# Altium PCB Main_conection.PcbDoc (part 1 of 2) (continued)
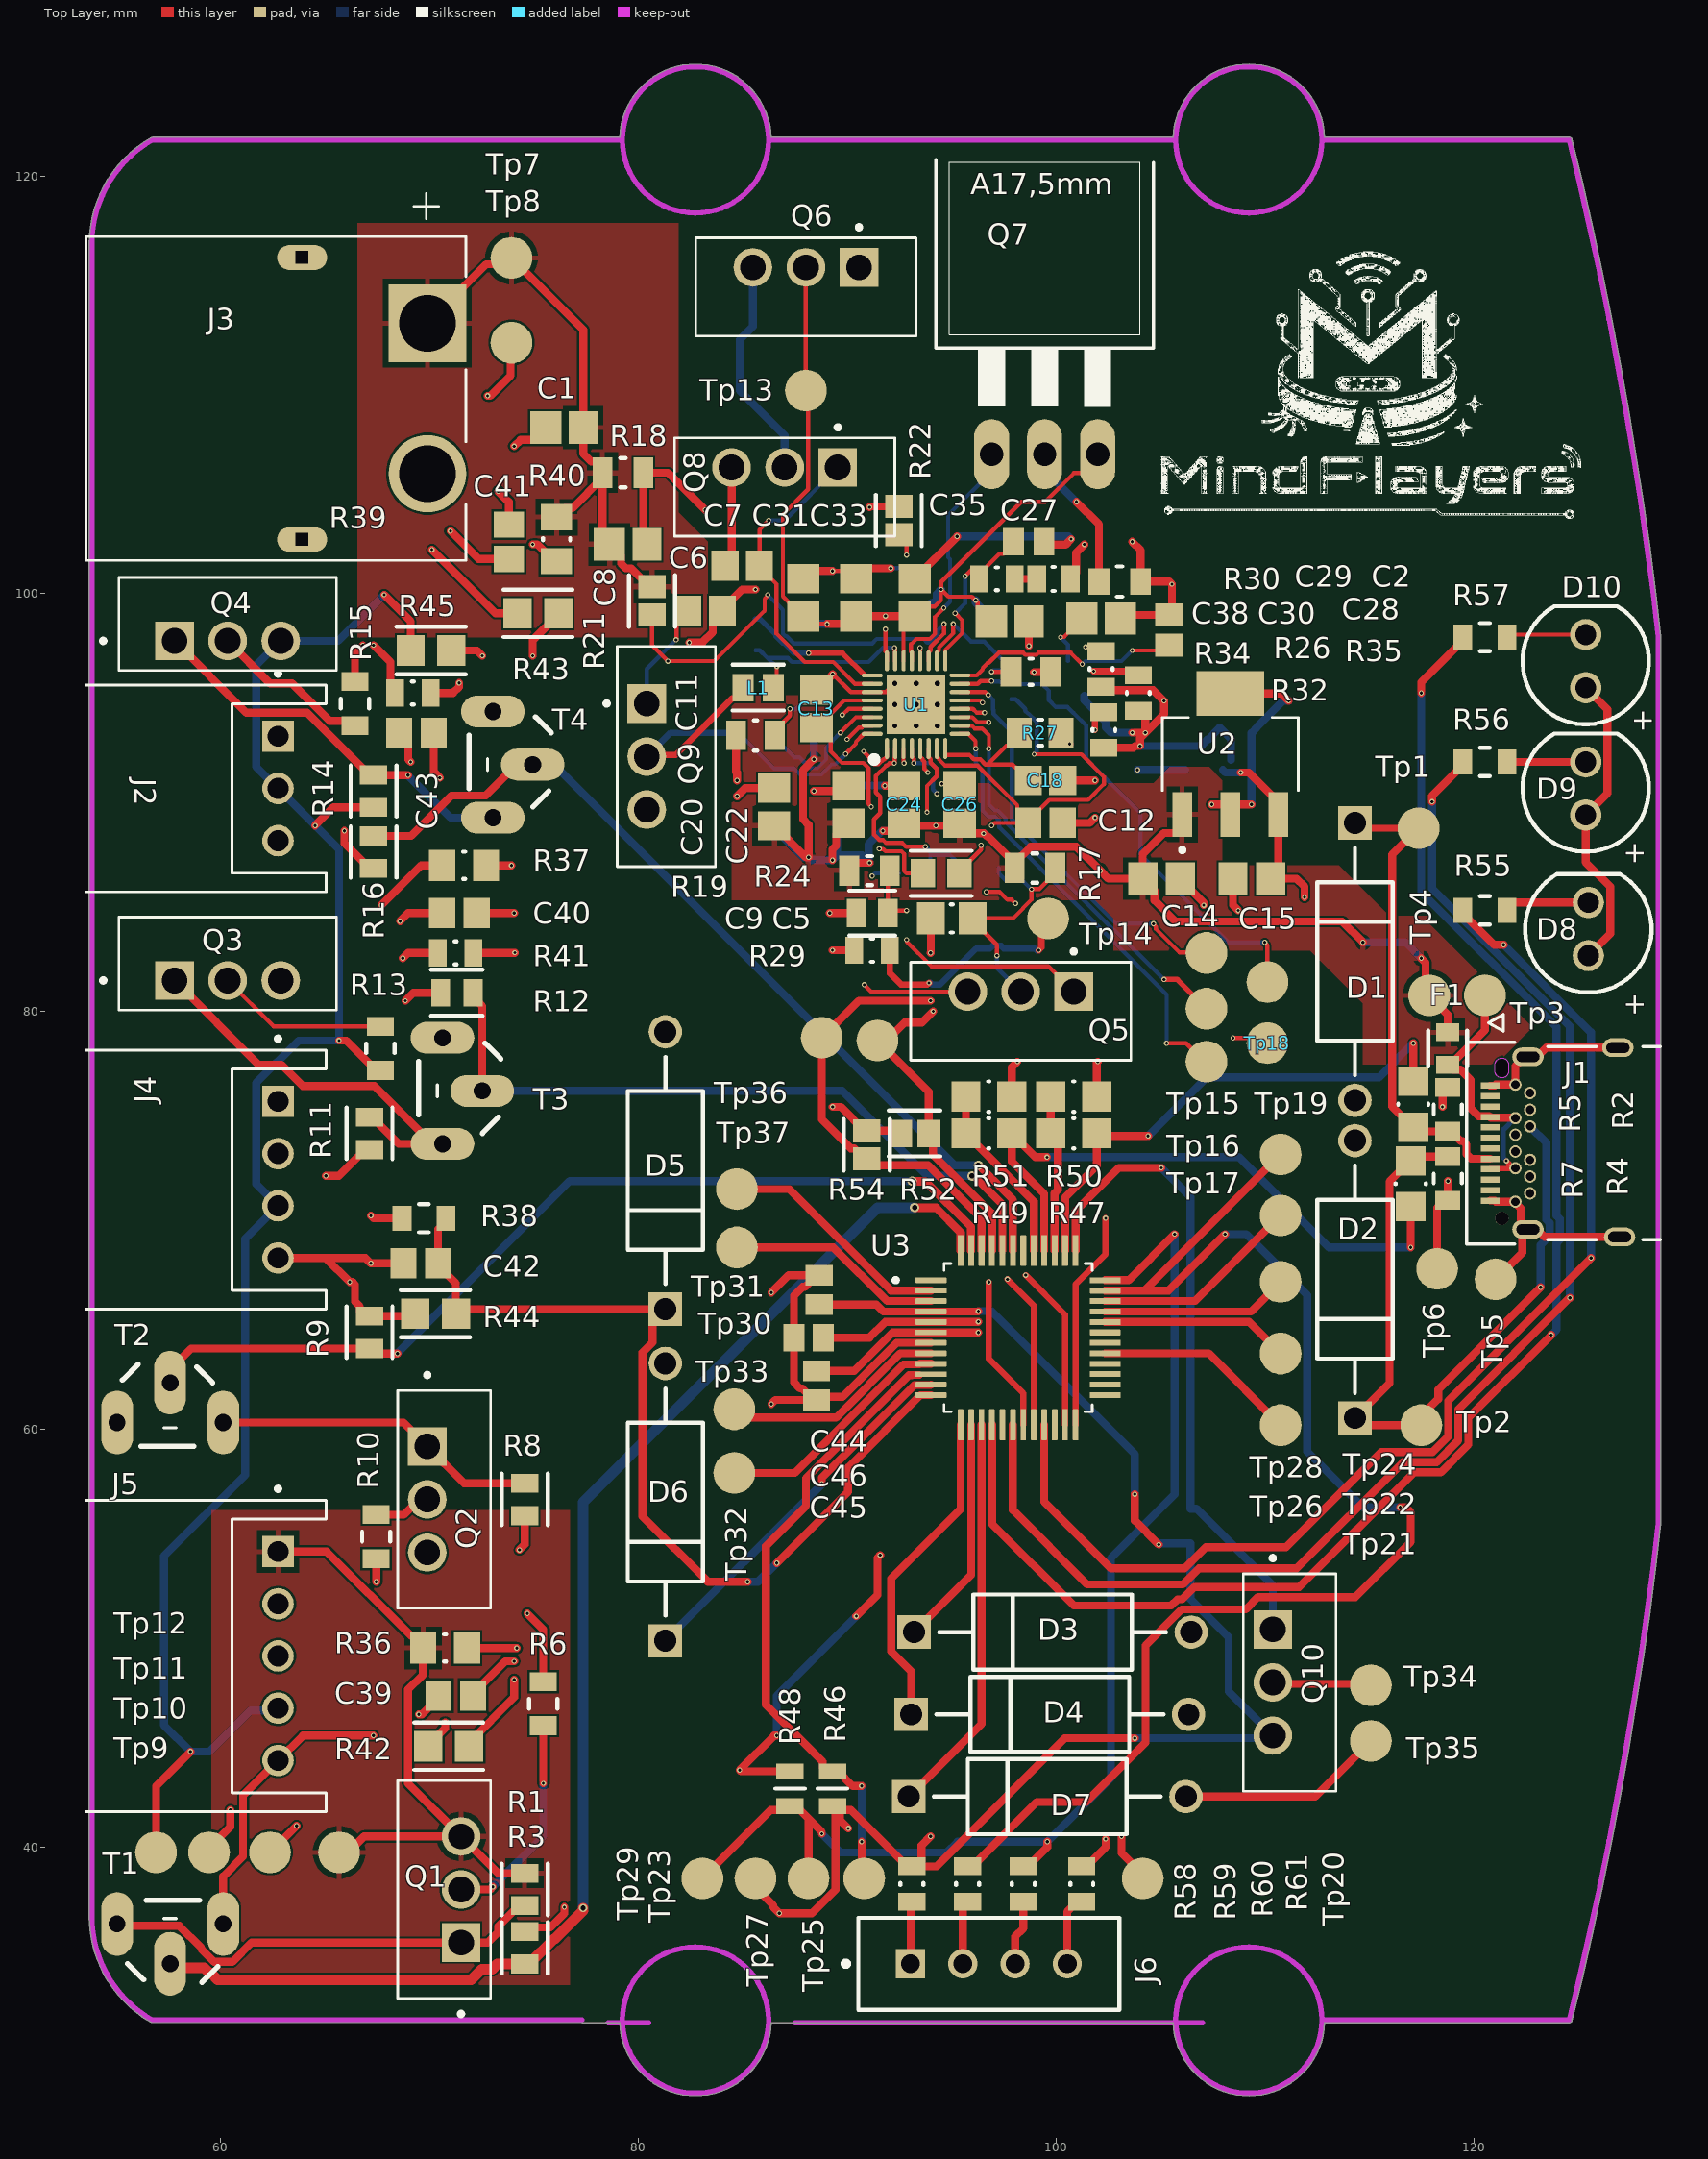
[diagram p0: Top Layer view]
## Footprints (in the part's own frame and the unit in brackets; to place one, negate y for a bottom-side part, rotate by r counter-clockwise, add the part's x,y. Pads: shape width x height; smd on the part's side, far side on the other; paste and mask are expansions set on the pad) (continued)
FP-CRCW0805-e3-IPC_B [mm]
  rect 1.007x1.408 smd paste+0 mask+0: 1(-0.951,0) 2(0.951,0)
  silkscreen extent -0.07,-0.63 0.07,0.63, body extent -1.7,-0.95 1.7,0.95, height 0.25
FP-CRCW0805-HPe3-MFG [mm]
  rect 0.95x1.45 smd paste+0 mask+0: 1(-0.975,0) 2(0.975,0)
  silkscreen extent -0.13,-0.7 0.13,0.7, body extent -1.55,-0.82 1.55,0.82, height 0.25
FP-CRGCQ0805-IPC_C [mm]
  rect 0.906x1.31 smd paste+0 mask+0: 1(-0.776,0) 2(0.776,0)
  silkscreen extent -1.23,-1.1 1.23,1.1, body extent -1.33,-0.8 1.33,0.8, height 0.25
FP-ESR10-MFG [mm]
  rect 0.7x1.15 smd paste+0 mask+0: 1(-0.95,0) 2(0.95,0)
  silkscreen extent -0.22,-0.67 0.22,0.67, body extent -1,-0.63 1,0.63, height 0.65
FP-F0603G-MFG [mm]
  rect 0.85x1.1 smd paste+0 mask+0: 1(-0.775,0) 2(0.775,0)
  silkscreen extent -0.85,-0.93 0.85,0.93, body extent -1.3,-0.65 1.3,0.65, height 0.25
FP-HCJ0805-MFG [mm]
  rect 1.4x1.44 smd paste+0 mask+0: 1(-1.1,0) 2(1.1,0)
  silkscreen extent -0.03,-0.72 0.03,0.72, body extent -1.9,-0.82 1.9,0.82, height 0.25
FP-LQM21PN_CH-IPC_C [mm]
  rect 1.006x1.308 smd paste+0 mask+0: 1(-0.726,0) 2(0.726,0)
  silkscreen extent -1.23,-1.1 1.23,1.1, body extent -1.33,-0.8 1.33,0.8, height 0.25
FP-MCU0805-IPC_C [mm]
  rect 0.759x1.308 smd paste+0 mask+0: 1(-0.827,0) 2(0.827,0)
  silkscreen extent 0,-0.7 0,0.7, body extent -1.31,-0.8 1.31,0.8, height 0.25
FP-P6KE-MFG [mm]
  rect 1.6x1.6 hole 1.05 paste-2539.97 mask+0: 1(-6.638,0)
  round 1.6 hole 1.05 paste-2539.97 mask+0: 2(6.638,0)
  silkscreen extent -5.44,-1.8 5.44,1.8, body extent -7.54,-1.9 7.54,1.9, height 0.25
FP-RMCF0805-IPC_A [mm]
  rect 1.355x1.462 smd paste+0 mask+0: 1(-0.976,0) 2(0.976,0)
  silkscreen extent -1.65,-1.13 1.65,1.13, body extent -2.15,-1.23 2.15,1.23, height 0.25
FP-RMCF0805-IPC_B [mm]
  rect 1.155x1.362 smd paste+0 mask+0: 1(-0.876,0) 2(0.876,0)
  silkscreen extent -1.45,-1.08 1.45,1.08, body extent -1,-0.63 1,0.63, height 0.65
FP-RMCF0805-MFG [mm]
  rect 0.9x1.3 smd paste+0 mask+0: 1(-1.05,0) 2(1.05,0)
  silkscreen extent -0.23,-0.67 0.23,0.67, body extent -1.6,-0.77 1.6,0.77, height 0.25
FP-RNCP0805-IPC_C [mm]
  rect 1.105x1.308 smd paste+0 mask+0: 1(-0.676,0) 2(0.676,0)
  silkscreen extent -1.23,-1.1 1.23,1.1, body extent -1.33,-0.8 1.33,0.8, height 0.25
FP-RT0805-MFG [mm]
  rect 0.9x1.2 smd paste+0 mask+0: 1(-1.05,0) 2(1.05,0)
  silkscreen extent -0.23,-0.67 0.23,0.67, body extent -1.6,-0.77 1.6,0.77, height 0.25
JST_S3B-XH-A [mm]
  rect 1.508x1.508 / inner round 1.508 / far side rect 1.508x1.508 hole 1: 1(-2.5,5.7)
  round 1.508 hole 1: 2(0,5.7) 3(2.5,5.7)
  silkscreen extent -5.6,-3.5 4.95,8, body extent -4.95,-3.5 4.95,8, height 6.1
JST_S4B-XH-A [mm]
  rect 1.508x1.508 / inner round 1.508 / far side rect 1.508x1.508 hole 1: 1(-3.75,5.7)
  round 1.508 hole 1: 2(-1.25,5.7) 3(1.25,5.7) 4(3.75,5.7)
  silkscreen extent -6.85,-3.5 6.2,8, body extent -6.2,-3.5 6.2,8, height 6.1
JST_S5B-XH-A [mm]
  rect 1.508x1.508 / inner round 1.508 / far side rect 1.508x1.508 hole 1: 1(-5,5.7)
  round 1.508 hole 1: 2(-2.5,5.7) 3(0,5.7) 4(2.5,5.7) 5(5,5.7)
  silkscreen extent -8.1,-3.5 7.45,8, body extent -7.45,-3.5 7.45,8, height 6.1
MOLEX_2171830001 [mm]
  rect 0.298x0.9 smd mask-2539.97: A1(-2.75,8.15) A2(-2.25,8.15) A3(-1.75,8.15) A4(-1.25,8.15) A5(-0.75,8.15) A6(-0.25,8.15) A7(0.25,8.15) A8(0.75,8.15) A9(1.25,8.15) A10(1.75,8.15) A11(2.25,8.15) A12(2.75,8.15)
  round 0.59 hole 0.4 mask-2539.97: B1(2.8,6.94) B2(2.4,6.24) B3(1.6,6.24) B4(1.2,6.94) B5(0.8,6.24) B6(0.4,6.94) B7(-0.4,6.94) B8(-0.8,6.24) B9(-1.2,6.94) B10(-1.6,6.24) B11(-2.4,6.24) B12(-2.8,6.94)
  oval 0.9x1.5 hole 0.5 slot 1.1 at 90 deg mask+0.064: SH1(-4.49,1.95) SH2(4.572,2.032) SH3(-4.13,6.34) SH4(4.13,6.34)
  round 0.65 hole 0.65 unplated mask+0.064: ""(-3.6,7.59)
  Keep-Out Layer board cut-out: 3.75,7.265 3.45,7.265 3.433,7.265 3.416,7.267 3.399,7.269 3.382,7.272 3.366,7.276 3.35,7.281 3.334,7.287 3.318,7.293 3.302,7.3 3.288,7.309 3.273,7.317 3.259,7.327 3.245,7.337 3.233,7.348 3.22,7.36 3.208,7.373 3.197,7.385 3.187,7.399 3.177,7.413 3.169,7.428 3.16,7.442 3.153,7.458 3.147,7.474 3.141,7.49 3.136,7.506 3.132,7.522 3.129,7.539 3.127,7.556 3.125,7.573 3.125,7.59 3.125,7.607 3.127,7.624 3.129,7.641 3.132,7.658 3.136,7.674 3.141,7.69 3.147,7.706 3.153,7.722 3.16,7.738 3.169,7.752 3.177,7.767 3.187,7.781 3.197,7.795 3.208,7.807 3.22,7.82 3.233,7.832 3.245,7.843 3.259,7.853 3.273,7.863 3.288,7.871 3.302,7.88 3.318,7.887 3.334,7.893 3.35,7.899 3.366,7.904 3.382,7.908 3.399,7.911 3.416,7.913 3.433,7.915 3.45,7.915 3.75,7.915 3.767,7.915 3.784,7.913 3.801,7.911 3.818,7.908 3.834,7.904 3.85,7.899 3.866,7.893 3.882,7.887 3.898,7.88 3.913,7.871 3.927,7.863 3.941,7.853 3.955,7.843 3.967,7.832 3.98,7.82 3.992,7.807 4.003,7.795 4.013,7.781 4.023,7.767 4.031,7.752 4.04,7.738 4.047,7.722 4.053,7.706 4.059,7.69 4.064,7.674 4.068,7.658 4.071,7.641 4.073,7.624 4.075,7.607 4.075,7.59 4.075,7.573 4.073,7.556 4.071,7.539 4.068,7.522 4.064,7.506 4.059,7.49 4.053,7.474 4.047,7.458 4.04,7.442 4.031,7.428 4.023,7.413 4.013,7.399 4.003,7.385 3.992,7.373 3.98,7.36 3.967,7.348 3.955,7.337 3.941,7.327 3.927,7.317 3.913,7.309 3.898,7.3 3.882,7.293 3.866,7.287 3.85,7.281 3.834,7.276 3.818,7.272 3.801,7.269 3.784,7.267 3.767,7.265
  silkscreen extent -4.83,0 6.16,9.27, body extent -4.95,-0.62 4.9,9.25, height 3.27
QFP50P900X900X160-48N [mm]
  rrect25% 1.49x0.27 smd mask-2539.97: 1(-4.17,2.75) 2(-4.17,2.25) 3(-4.17,1.75) 4(-4.17,1.25) 5(-4.17,0.75) 6(-4.17,0.25) 7(-4.17,-0.25) 8(-4.17,-0.75) 9(-4.17,-1.25) 10(-4.17,-1.75) 11(-4.17,-2.25) 12(-4.17,-2.75)
  rrect25% 0.27x1.49 smd mask-2539.97: 13(-2.75,-4.17) 14(-2.25,-4.17) 15(-1.75,-4.17) 16(-1.25,-4.17) 17(-0.75,-4.17) 18(-0.25,-4.17) 19(0.25,-4.17) 20(0.75,-4.17) 21(1.25,-4.17) 22(1.75,-4.17) 23(2.25,-4.17) 24(2.75,-4.17)
  rrect25% 1.49x0.28 smd mask-2539.97: 25(4.17,-2.75) 26(4.17,-2.25) 27(4.17,-1.75) 28(4.17,-1.25) 29(4.17,-0.75) 30(4.17,-0.25) 31(4.17,0.25) 32(4.17,0.75) 33(4.17,1.25) 34(4.17,1.75) 35(4.17,2.25) 36(4.17,2.75)
  rrect25% 0.28x1.49 smd mask-2539.97: 37(2.75,4.17) 38(2.25,4.17) 39(1.75,4.17) 40(1.25,4.17) 41(0.75,4.17) 42(0.25,4.17) 43(-0.25,4.17) 44(-0.75,4.17) 45(-1.25,4.17) 46(-1.75,4.17) 47(-2.25,4.17) 48(-2.75,4.17)
  silkscreen extent -5.96,-3.55 3.55,3.55, body extent -4.54,-4.5 4.54,4.5, height 1.61
RESC0805(2012)_L [mm] "Chip Resistor, Body 2.0x1.3mm, IPC High Density"
  rect 0.85x1.3 smd: 1(-0.85,0) 2(0.85,0)
  silkscreen extent -0.05,-0.55 0.05,0.55, body extent -1.1,-0.67 1.1,0.68, height 0.7
RESC0805(2012)_M [mm] "Chip Resistor, Body 2.0x1.3mm, IPC Low Density"
  rect 1.25x1.5 smd: 1(-1.05,0) 2(1.05,0)
  silkscreen extent -0.05,-0.65 0.05,0.65, body extent -1.1,-0.67 1.1,0.67, height 0.7
RESC2013X60X35ML10T20 [mm] "Chip Resistor, 2-Leads, Body 2.00x1.25mm, IPC Low Density"
  rect 1.2x1.45 smd: 1(-1,0) 2(1,0)
  silkscreen extent -0.1,-0.63 0.1,0.63, body extent -1.05,-0.67 1.05,0.67, height 0.6
SOT230P700X180-4N [mm]
  rect 2.15x0.95 smd paste+0 mask+0.102: 1(-2.9,2.3) 2(-2.9,0) 3(-2.9,-2.3)
  rect 2.15x3.25 smd paste+0 mask+0.102: 4(2.9,0)
  silkscreen extent -4.7,-3.25 1.75,3.25, body extent -3.5,-3.25 3.5,3.25, height 1.8
TO92 [mil]
  oval 60x120 hole 32 mask+4.02: 1(-100,0) 2(0,75) 3(100,0)
  silkscreen extent -90,-45 80,110, body extent -108,-50 108,92, height 318
TO220BH [mil]
  oval 66x132 hole 44: D(0,-250) G(-100,-250) S(100,-250)
  silkscreen extent -205,-160 205,305, body extent -200,-300 200,300, height 190
TO254P1041X444X1930-3 [mm]
  rect 1.845x1.845 / inner round 1.845 / far side rect 1.845x1.845 hole 1.23: 1(-2.54,-0.81)
  round 1.845 hole 1.23: 2(0,-0.81) 3(2.54,-0.81)
  silkscreen extent -6.06,-2.22 5.21,2.22, body extent -5.21,-2.22 5.21,2.22, height 19.3
TO254P1054X469X1930-3 [mm]
  rect 1.85x1.85 / inner round 1.85 / far side rect 1.85x1.85 hole 1.23: 1(-2.54,-0.94)
  round 1.85 hole 1.23: 2(0,-0.94) 3(2.54,-0.94)
  silkscreen extent -5.27,-2.96 5.27,2.35, body extent -5.08,-1.71 5.08,2.73, height 15.01
TP [mm]
  round 2 smd: 1(0,0)
WL-TIRC_5mm [mm]
  round 1.5 hole 1: 1(-1.27,0) 2(1.27,0)
  silkscreen extent -3.02,-3.02 2.63,3.02, body extent -2.9,-2.9 2.5,2.9, height 6.2

## Part data
C1 C14 C15 C16 C17 C19 C20 C21 C22 C23 C24 C25 C26 C31 C32 C33 C34 C35 C36 C37 C38: library part CMP-2007-04702-1, Manufacturer="AVX Interconnect / Elco", Part Number=0805ZC106KAT2A
C2: library part CMP-07738-122049624-1, "08051C105K4T2A Cap Ceramic 1uF 100V X7R 10% Pad SMD 0805 125C Automotive T/R", Capacitance=1µF, Case/Package=0805, Dielectric=X7R, Max Operating Temperature=125°C, Min Operating Temperature=-55°C, Tolerance=10%, Voltage Rating=100V, Height=1.4mm, Lifecycle Status=Production, Material=Ceramic, NexarPartId=122049624, RoHS=Compliant, Schedule B=8532240020, Voltage Rating (DC)=100V
C3 S: library part CMP-2007-00394-2, "CAP CER 0.047UF 50V X7R 0805", Capacitance="47,000 pF", Manufacturer=KEMET, Manufacturer Part Number=C0805C473K5RACAUTO, Package=C0805C-DN, Temperature="-55°C to +125°C", Temperature Characteristic=X7R, Temperature Coefficient=30ppm/°C, Temperature Range High=+125°C, Temperature Range Low=-55°C, Tolerance=0.1, Voltage Rating="50 V", Automotive=No, Category=Cap, ComponentLink2Description=Datasheet, ComponentLink2URL=https://content.kemet.com/datasheets/KEM_C1003_C0G_SMD.pdf, Device Class L1="Passive Components", Device Class L2=Capacitors, Device Class L3="Ceramic Capacitors", Digikey Description="CAP CER 0.047UF 50V X7R 0805", Height=0.88mm, Ipc Land Pattern Name=CAPC200125X78, Lead Free=Yes, Material=Ceramic, Mouser Description="Multilayer Ceramic Capacitors MLCC - SMD/SMT 0.047uF 50volts 10% X7R AUTO", Octopart=https://octopart.com/c0805c473k5racauto-kemet-12580596, RoHS=TRUE
C5: library part CMP-1036-04429-1, "CAP 100nF 100V ±10% 0805 (2012 Metric) Thickness 1.45mm SMD", Case-EIA=0805, Case-Metric=2012, Rated Voltage="100 V", Tolerance=Â±10%, Max Thickness="1.45 mm", Technology=SMT
C6 C7: library part CMP-2007-01759-1, Manufacturer=Vitramon, Part Number=VJ0805A151JXAMC
C8: library part CMP-2007-04651-1, Manufacturer="AVX Interconnect / Elco", Part Number=0805DD104KAT2A
C9 C10: library part CMP-03020-013264-1, "CAP CER 0.033UF 50V U2J 0805", Capacitance="33,000 pF", Manufacturer=KEMET, Package=C0805C-DN, Temperature="-55°C to +125°C", Temperature Characteristic=U2J, Temperature Coefficient=30ppm/°C, Temperature Range High=+125°C, Temperature Range Low=-55°C, Tolerance=0.05, Voltage Rating="50 V", Automotive=No, Category=Cap, ComponentLink2Description=Datasheet, ComponentLink2URL=https://content.kemet.com/datasheets/KEM_C1003_C0G_SMD.pdf, Device Class L1="Passive Components", Device Class L2=Capacitors, Device Class L3="Ceramic Capacitors", Digikey Description="CAP CER 0.033UF 50V U2J 0805", Height=0.88mm, Ipc Land Pattern Name=CAPC200125X78, Lead Free=Yes, Manufacturer Part Number=C0805C333J5JACTU, Material=Ceramic, Octopart=https://octopart.com/c0805c333j5jactu-kemet-74774612, RoHS=TRUE
C11: library part CMP-03422-000762-1, "CAP CER 1UF 25V X5R 0805", Capacitance="1 uF", Manufacturer=Yageo, Package=CC0805-0.85, Temperature="-30°C to +85°C", Temperature Characteristic=X5R, Temperature Range High=+85°C, Temperature Range Low=-30°C, Tolerance=0.2, Voltage Rating="25 V", Automotive=No, Category=Cap, ComponentLink2Description=Datasheet, ComponentLink2URL=http://www.yageo.com/documents/recent/UPY-GPHC_Y5V_6.3V-to-50V_8.pdf, Device Class L1="Passive Components", Device Class L2=Capacitors, Device Class L3="Ceramic Capacitors", Digikey Description="CAP CER 1UF 25V X5R 0805", Footprint Url=http://www.yageo.com/exep/pages/download/literatures/UPY-C_GEN_24.pdf, Height=0.95mm, Ipc Land Pattern Name=CAPC200125X85, Lead Free=Yes, Manufacturer Part Number=CC0805MKX5R8BB105, Material=Ceramic, Mouser Description="Cap Cer 1uf 25v X5r 0805", Octopart=https://octopart.com/cc0805mkx5r8bb105-yageo-81932645, RoHS=TRUE
C12 C39 C40 C41 C42 C43: library part CMP-2007-01676-1, Manufacturer=Vitramon, Part Number=VJ0805Y105KXQRW1BC
C13: library part CMP-2007-03688-1, Manufacturer=Kemet, Part Number=C0805C225M4PACTU
C18: library part CMP-2007-04832-1, Manufacturer="AVX Interconnect / Elco", Part Number=08052C101KAT2A
C27: library part CMP-2007-04132-1, Manufacturer="AVX Interconnect / Elco", Part Number=08051A150KAT2A
C28: library part CMP-2007-01784-1, Manufacturer=Vitramon, Part Number=VJ0805A330JXBAC
C29: library part CMP-1036-02840-1, "CAP 680pF 100V ±10% 0805 (2012 Metric) Thickness 1.45mm SMD", Case-EIA=0805, Case-Metric=2012, Rated Voltage="100 V", Tolerance=Â±10%, Max Thickness="1.45 mm", Technology=SMT
C30: library part CMP-2007-01890-1, Manufacturer=Vitramon, Part Number=VJ0805A182FXAMT
C44 C45 C46: library part CMP-2007-01044-1, Manufacturer=Kemet, Part Number=C0805C106K8RACTU
D1 D2 D3 D4 D5 D6 D7: library part CMP-08607-000072-1, "TVS DIODE 5.8V 10.5V DO204AC", Breakdown Voltage=6.45V, Clamping Voltage=10.5V, Manufacturer="Littelfuse Inc", Max Junction Temp=+175°C, Package=P6KE, Peak Pulse Current=58.1A, Peak Pulse Power=600W, Reverse Standoff Voltage=5.8V, Temperature="-55°C to +175°C", Temperature Range Low=-55°C, Automotive=No, Category=Diode, ComponentLink2Description=Datasheet, ComponentLink2URL=https://www.littelfuse.com/~/media/electronics/datasheets/tvs_diodes/littelfuse_tvs_diode_p6ke_datasheet.pdf.pdf, Device Class L1="Circuit Protection", Device Class L2="TVS Diodes", Device Class L3=unset, Digikey Description="TVS DIODE 5.8V 10.5V DO204AC", Direction=Unidirectional, Height=3.6mm, Ipc Land Pattern Name=DIOPA1328W105L760D360, Lead Free=Yes, Manufacturer Part Number=P6KE6.8A, Mouser Description="TVSS; Diode; For Data/Comm; Industrial Equip; 58.1A; Thru-Hole; Solder Term", Number Of Channels=1, Octopart=https://octopart.com/p6ke6.8a-littelfuse-20808, RoHS=TRUE, Temperature Range High=+175°C
D8 D9 D10: library part CMP-03913-110288041-2, "Led, 5Mm, 940Nm, 30Mw/Sr, Th Rohs Compliant: Yes", Forward Current=1A, Forward Voltage=1.3V, Max Operating Temperature=85°C, Max Reverse Voltage (DC)=5V, Min Operating Temperature=-40°C, Peak Wavelength=940nm, RoHS=Compliant, Viewing Angle=30°
F1: library part CMP-04585-000004-1, "FUSE BOARD MOUNT 50MA 32VDC 0603", Fuse Current=0.125A, Fuse Voltage Drop=250mV, Manufacturer="AVX Corporation", Package=F0603G, Resistance=3.4Ω, Temperature="-55°C to +125°C", Temperature Range High=+125°C, Temperature Range Low=-55°C, Voltage Rating=32V, Automotive=No, Category=Fuse, ComponentLink2Description=Datasheet, ComponentLink2URL=http://datasheets.avx.com/AccuGuardLC_0603.pdf, Device Class L1="Circuit Protection", Device Class L2=Fuses, Device Class L3=unset, Digikey Description="FUSE BOARD MOUNT 50MA 32VDC 0603", Fuse Blow Speed=Fast, Fuse I2T=0.000002A2Sec, Height=0.71mm, Lead Free=Yes, Manufacturer Part Number=F0603G0R05FNTR, Mouser Description="Fuse Chip 0.05A 32V Fast 2-Pin Solder Pad Surface Mount T/R", Octopart=https://octopart.com/f0603g0r05fntr-avx-21046321, RoHS=TRUE
J1 J2 J4: Package=None, Availability=Unavailable, Price=None
  J1: MF="{'manufacturer': u'Molex'}", MP=2171830001
  J2: MP=S3B-XH-A
  J4: MP=S4B-XH-A
J3: "Socket, DC supply, male, PIN: 2", Package=Package, Check_prices=https://www.snapeda.com/parts/XT60PW-M/AMASS/view-part/?ref=eda, MF=AMASS, MP=XT60PW-M, SnapEDA_Link=https://www.snapeda.com/parts/XT60PW-M/AMASS/view-part/?ref=snap
J5: "Connector Header Through Hole, Right Angle 5 position 0.098 (2.50mm)", Package=None, Check_prices=https://www.snapeda.com/parts/S5B-XH-A/JST+Sales+America+Inc./view-part/?ref=eda, MF="JST Sales", MP=S5B-XH-A, SnapEDA_Link=https://www.snapeda.com/parts/S5B-XH-A/JST+Sales+America+Inc./view-part/?ref=snap
J6: library part CMP-17439-000699-1, "CONN HEADER EH TOP 4POS 2.5MM", Case/Package=Radial, Lead Free="Lead Free", Number of Positions=4, Pitch=2.5mm, Termination=Crimp
L1: library part CMP-06042-016495-1, "Multilayer Type Inductor for Power Lines, 2012, 2.2μH, 20%, 0.25Ω, 1.3A", RoHS Compliant=Yes
Q1 Q2 Q3 Q4 Q10: "P-Channel 100 V 23A (Tc) 3.1W (Ta), 110W (Tc)", Package="TO-220 Infineon", Availability="In Stock", Check_prices=https://www.snapeda.com/parts/IRF9540N/Infineon+Technologies/view-part/?ref=eda, MF="Infineon Technologies", MP=IRF9540N, Price=None, Purchase-URL=https://pricing.snapeda.com/search/part/IRF9540N/?ref=eda, SnapEDA_Link=https://www.snapeda.com/parts/IRF9540N/Infineon+Technologies/view-part/?ref=snap
Q5 Q6 Q8 Q9: "N-Channel 55 V 47A (Tc) 3.8W (Ta), 110W (Tc) Surface Mount D2PAK", Package="TO-220-3 Infineon / IR", Availability="Not in stock", Check_prices=https://www.snapeda.com/parts/IRLZ44N/Infineon/view-part/?ref=eda, MF="Infineon / IR", MP=IRLZ44N, Price=None, SnapEDA_Link=https://www.snapeda.com/parts/IRLZ44N/Infineon/view-part/?ref=snap
Q7: "P-Channel 55 V 74A (Tc) 200W (Tc) Through Hole TO-220AB", Package="TO-263-3 Infineon / IR", Check_prices=https://www.snapeda.com/parts/IRF4905/Infineon/view-part/?ref=eda, MF="Infineon / IR", MP=IRF4905, SnapEDA_Link=https://www.snapeda.com/parts/IRF4905/Infineon/view-part/?ref=snap
R1 R3 R8 R9 R11 R12 R14 R16: library part CMP-03211-002989-1, "CRGCQ 0805 10K 5%", Ambient Temperature Range High=+70°C, Manufacturer="TE Connectivity", Package=CRGCQ0805, Power Rating=0.125W, Resistance=10KΩ, Temperature="-55°C to +155°C", Temperature Coefficient=±100ppm/°C, Temperature Range High=+155°C, Temperature Range Low=-55°C, Tolerance=0.05, Voltage Rating=150V, Automotive=Yes, Automotive Grade="Grade 914", Category=Res, ComponentLink2Description=Datasheet, ComponentLink2URL=https://www.te.com/commerce/DocumentDelivery/DDEController?Action=showdoc&DocId=Data+Sheet%7F1773204-3%7F1%7Fpdf%7FEnglish%7FENG_DS_1773204-3_1.pdf%7F4-2176341-923, Composition="Thick Film", Device Class L1="Passive Components", Device Class L2=Resistors, Device Class L3="Chip SMD Resistors", Digikey Description="CRGCQ 0805 10K 5%", Height=0.65mm, Ipc Land Pattern Name=RESC200125X55, Lead Free=Yes, Manufacturer Part Number=CRGCQ0805J10K, Mouser Description="Res Thick Film 0805 10K Ohm 5% 0.125W(1/8W) ±100ppm/C Pad SMD Automotive T/R", Octopart=https://octopart.com/crgcq0805j10k-te+connectivity-91018201, RoHS=TRUE, Series=CRGCQ
R2 R4 R31 R47 R49 R50 R51: library part CMP-26527-000104-1, "RES 0 OHM JUMPER 1/2W 0805", Case Code (Imperial)=0805, Case Code (Metric)=2012, Max Operating Temperature=155°C, Min Operating Temperature=-55°C, Package Quantity=1, Resistance=0mR, Case/Package=0805, Height=0.026inch, Lead Free="Lead Free", Length=0.079inch, Mount="Surface Mount", Number of Terminations=2, Packaging="Tape and Reel", Radiation Hardening=No, RoHS Compliant=Yes, Termination=Wraparound, Width=0.049inch
R5 R7: library part CMP-2001-04477-2, "RES SMD 5.1K OHM 5% 1/8W 0805", Manufacturer=Yageo, Package=AC0805, Power Rating=1/8W, Resistance=5.1KΩ, Temperature="-55°C to +155°C", Temperature Range High=+155°C, Temperature Range Low=-55°C, Tolerance=0.05, Voltage Rating=150V, Automotive=Yes, Automotive Grade="Grade 0", Category=Res, ComponentLink2Description=Datasheet, ComponentLink2URL=http://www.yageo.com/documents/recent/PYu-AC_51_RoHS_L_6.pdf, Composition="Thick Film", Device Class L1="Passive Components", Device Class L2=Resistors, Device Class L3="Chip SMD Resistors", Digikey Description="RES SMD 5.1K OHM 5% 1/8W 0805", Footprint Url=http://www.yageo.com/exep/pages/download/literatures/PYu-R_Mount_10.pdf, Height=0.6mm, Ipc Land Pattern Name=RESC200125X50, Lead Free=Yes, Manufacturer Part Number=AC0805JR-075K1L, Mouser Description="Thick Film Resistors - SMD 5.1K ohm 5% 1/8W", Octopart=https://octopart.com/ac0805jr-075k1l-yageo-21711115, RoHS=TRUE, Series=AC
R6 R10 R13 R15: library part CMP-26527-004456-1, "47Ω ±5% 0.125W 0805 Thick Film Chip Resistor AEC-Q200 compliant", Case Code (Imperial)=0805, Case Code (Metric)=2012, Max Operating Temperature=155°C, Max Power Dissipation=125mW, Min Operating Temperature=-55°C, Package Quantity=10000, Resistance=47R, Resistor Type="Thick Film", Temperature Coefficient=200ppm/°C, Tolerance=5%, Case/Package=0805, Contact Plating=Tin, Features="Automotive AEC-Q200", Height=0.026inch, Length=0.079inch, Mount="Surface Mount", Number of Terminations=2, Packaging="Tape and Reel", Radiation Hardening=No, RoHS Compliant=Yes, Series=RMCF, Width=0.049inch
R17 R18 R19 R20: library part CMP-02407-002418-1, "RES Thick Film, 4.99Ω, 0.5%, 0.5W, 100ppm/°C, 0805"
R21 R22: library part CMP-26527-001729-1, "10Ω ±1% 0.25W 0805 High Power Anti-Sulfur Thin Film Chip Resistor", Case Code (Imperial)=0805, Case Code (Metric)=2012, Max Operating Temperature=155°C, Max Power Dissipation=250mW, Min Operating Temperature=-55°C, Resistance=10R, Resistor Type="Thin Film", Temperature Coefficient=100ppm/°C, Tolerance=1%, Case/Package=0805, Features="Moisture Resistant", Height=0.024inch, Length=0.079inch, Mount="Surface Mount", Number of Terminations=2, Packaging="Tape and Reel", RoHS Compliant=Yes, Series=RNCP, Width=0.049inch
R23 R24: library part CMP-26527-004108-1, "10Ω ±1% 0.125W 0805 Thick Film Chip Resistor AEC-Q200 compliant", Case/Package=0805, Max Operating Temperature=155°C, Max Power Dissipation=125mW, Min Operating Temperature=-55°C, Resistance=10R, Resistor Type="Thick Film", Temperature Coefficient=100ppm/°C, Tolerance=1%, Contact Plating=Tin, Features="Automotive AEC-Q200", Height=0.026inch, Length=0.079inch, Mount="Surface Mount", Number of Terminations=2, Packaging="Tape and Reel", Radiation Hardening=No, RoHS Compliant=Yes, Series=RMCF, Width=0.049inch
R25 R29 R30 R32 R33 R34 R35 R58 R59 R60 R61: library part CMP-1013-00098-1, "10K 0.125W 5% 0805 (2012 Metric)  SMD", Case-EIA=0805, Case-Metric=2012, Power="0.125 W", Tolerance="5 %", Technology=SMT
R26: library part CMP-02407-010674-1, "RES Thick Film, 402kΩ, 1%, 0.125W, 100ppm/°C, 0805", Case/Package=0805, Max Operating Temperature=155°C, Max Power Dissipation=125mW, Min Operating Temperature=-55°C, Package Quantity=20000, Resistance=402kR, Temperature Coefficient=100ppm/°C, Tolerance=1%, Composition="Thick Film", Features="Automotive AEC-Q200", Height=0.02inch, Lead Free="Lead Free", Length=0.079inch, Number of Terminations=2, Packaging="Tape and Reel", Width=0.049inch
R27: library part CMP-2001-00916-1, Manufacturer=Yageo, Part Number=RC0805FR-07137KL
R28: library part CMP-08839-028060-1, "40.2kΩ ±1% 0.4W 0805 Anti-Surge Chip Resistor AEC-Q200", Case/Package=0805, Max Operating Temperature=155°C, Max Power Dissipation=400mW, Min Operating Temperature=-55°C, Package Quantity=5000, Resistance=40.2kR, Resistor Type="Thick Film", Temperature Coefficient=100ppm/°C, Tolerance=1%, Features="Automotive AEC-Q200", Height=0.026inch, Length=0.079inch, Number of Terminations=2, Packaging="Tape and Reel", RoHS Compliant=Yes, Series=ESR10, Width=0.049inch
R36 R37 R40: library part CMP-1013-00593-1, "5K36 0.125W 1% 0805 (2012 Metric)  SMD", Case-EIA=0805, Case-Metric=2012, Power="0.125 W", Tolerance="1 %", Technology=SMT
R38: library part CMP-03412-012413-1, "RES 357K OHM 1/8W .1% SMD 0805", Manufacturer=Yageo, Manufacturer Part Number=RT0805BRD07357KL, Package=RT0805, Power Rating=0.125W, Resistance=357KΩ, Temperature="-55°C to +155°C", Temperature Coefficient="25 ppm/°C", Temperature Range High=+155°C, Temperature Range Low=-55°C, Tolerance=0.0025, Voltage Rating=150V, Automotive=No, Category=Res, ComponentLink2Description=Datasheet, ComponentLink2URL=http://www.yageo.com/documents/recent/PYu-RT_1-to-0.01_RoHS_L_9.pdf, Composition="Thin Film", Device Class L1="Passive Components", Device Class L2=Resistors, Device Class L3="Chip SMD Resistors", Digikey Description="RES 357K OHM 1/8W .1% SMD 0805", Footprint Url=http://www.yageo.com/exep/pages/download/literatures/PYu-R_Mount_10.pdf, Height=0.6mm, Ipc Land Pattern Name=RESC200125X50, Lead Free=Yes, Mouser Description="Thin Film Resistors - SMD 1/8W 357K ohm .1% 25ppm", Octopart=https://octopart.com/rt0805brd07357kl-yageo-1483813, RoHS=TRUE, Series=RT
R39 R42 R43 R44: library part CMP-26527-005543-1, "1.2kΩ ±5% 0.125W 0805 Thick Film Chip Resistor AEC-Q200 compliant", Case/Package=0805, Max Operating Temperature=155°C, Max Power Dissipation=125mW, Min Operating Temperature=-55°C, Resistance=1.2kR, Resistor Type="Thick Film", Temperature Coefficient=200ppm/°C, Tolerance=5%, Contact Plating=Tin, Features="Automotive AEC-Q200", Height=0.026inch, Length=0.079inch, Mount="Surface Mount", Number of Terminations=2, Packaging="Tape and Reel", Radiation Hardening=No, RoHS Compliant=Yes, Series=RMCF, Width=0.049inch
R41 R45: library part CMP-1013-00087-1, "3K6 0.125W 5% 0805 (2012 Metric)  SMD", Case-EIA=0805, Case-Metric=2012, Power="0.125 W", Tolerance="5 %", Technology=SMT
R46 R48 R53: library part CMP-02407-000241-1, "RES 1.05K OHM 0.5% 1/5W 0805", Case Code (Imperial)=0805, Case Code (Metric)=2012, Max Operating Temperature=155°C, Min Operating Temperature=-55°C, Power Rating=200mW, Resistance=10kR, Tolerance=0.1%, Voltage Rating=150V, Case/Package=0805, Composition="Thin Film", Height=0.52mm, Length=2mm, Packaging="Tape and Reel", Weight=0.000162oz, Width=1.25mm
R52 R54: library part CMP-26527-001038-1, "12.4kΩ ±1% 0.25W 0805 High Power Anti-Sulfur Thin Film Chip Resistor", Case Code (Imperial)=0805, Case Code (Metric)=2012, Max Operating Temperature=155°C, Max Power Dissipation=250mW, Min Operating Temperature=-55°C, Resistance=12.4kR, Resistor Type="Thin Film", Temperature Coefficient=100ppm/°C, Tolerance=1%, Case/Package=0805, Features="Moisture Resistant", Height=0.024inch, Length=0.079inch, Mount="Surface Mount", Number of Terminations=2, Packaging="Tape and Reel", RoHS Compliant=Yes, Series=RNCP, Width=0.049inch
R55 R56 R57: library part CMP-2001-04488-2, "RES SMD 220 OHM 1% 1/8W 0805", Manufacturer=Yageo, Package=AC0805, Power Rating=1/8W, Resistance=220Ω, Temperature="-55°C to +155°C", Temperature Range High=+155°C, Temperature Range Low=-55°C, Tolerance=0.01, Voltage Rating=150V, Automotive=Yes, Automotive Grade="Grade 0", Category=Res, ComponentLink2Description=Datasheet, ComponentLink2URL=http://www.yageo.com/documents/recent/PYu-AC_51_RoHS_L_6.pdf, Composition="Thick Film", Device Class L1="Passive Components", Device Class L2=Resistors, Device Class L3="Chip SMD Resistors", Digikey Description="RES SMD 220 OHM 1% 1/8W 0805", Footprint Url=http://www.yageo.com/exep/pages/download/literatures/PYu-R_Mount_10.pdf, Height=0.6mm, Ipc Land Pattern Name=RESC200125X50, Lead Free=Yes, Manufacturer Part Number=AC0805FR-07220RL, Mouser Description="Thick Film Resistors - SMD 1/8W 220ohm 1% AEC-Q200", Octopart=https://octopart.com/ac0805fr-07220rl-yageo-26041145, RoHS=TRUE, Series=AC
T1 T2 T3 T4: "N-Channel 60 V 200mA (Ta) 400mW (Ta) Through Hole TO-92-3", Package="E-PKG AXIAL-LEADED-2 ON Semiconductor", Check_prices=https://www.snapeda.com/parts/2N7000/Onsemi/view-part/?ref=eda, MF=onsemi, MP=2N7000, SnapEDA_Link=https://www.snapeda.com/parts/2N7000/Onsemi/view-part/?ref=snap
U1: "MCU 32-bit ARM Cortex M0+ RISC 128KB Flash 1.8V/2.5V/3.3V 48-Pin LQFP Tray", Ambient Temperature Range High=85°C, Case/Package=LFQFP, Clock Frequency=48MHz, Frequency=64MHz, Manufacturer=STMicroelectronics, Manufacturer Part Number=STM32G071CBT6, Max Junction Temperature (Tj)=105°C, Max Supply Current=7mA, Max Supply Voltage=3.6V, Min Operating Temperature=-40°C, Min Supply Voltage=1.7V, Operating Supply Voltage=1.8V, Package="WQFN-32 Texas Instruments", Supplier Part Number=84AC2899, ADC Channels (Resolution)="14-Ch 12-Bit", Category=Microcontrollers, Check_prices=https://www.snapeda.com/parts/BQ25703ARSNR/Texas+Instruments/view-part/?ref=eda, China RoHS=Compliant, ComponentLink1Description=https://datasheet.octopart.com:443/STM32G071CBT6-STMicroelectronics-datasheet-159144893.pdf?src-supplier=IHS, ComponentLink1URL=https://datasheet.octopart.com:443/STM32G071CBT6-STMicroelectronics-datasheet-159144893.pdf?src-supplier=IHS, ComponentLink2Description=https://datasheet.octopart.com:443/STM32G071CBT6-STMicroelectronics-datasheet-132344621.pdf?src-supplier=ODG+(Origin+Data+Global), ComponentLink2URL=https://datasheet.octopart.com:443/STM32G071CBT6-STMicroelectronics-datasheet-132344621.pdf?src-supplier=ODG+(Origin+Data+Global), ComponentLink3Description=https://datasheet.octopart.com:443/STM32G071CBT6-STMicroelectronics-datasheet-130125765.pdf?src-supplier=element14+APAC, ComponentLink3URL=https://datasheet.octopart.com:443/STM32G071CBT6-STMicroelectronics-datasheet-130125765.pdf?src-supplier=element14+APAC, Core Architecture="ARM Cortex-M0+", Country of Origin="Mainland China", DAC Channels (Resolution)="2-Ch 12-Bit", Data Bus Width=32b, EEPROM Memory Size=0B, Export Control Classification Number (ECCN) Code=3A991.A.2, Flash Memory Size=128kB, Harmonized Tariff Schedule (HTS) Code=8542.31.00.25, Height=1.6mm, Height - Seated (Max)=1.6mm, Interface=I2S, Introduction Date=2019-03-07, Length=7mm, Lifecycle Status=Production, Max Operating Temperature=85°C, Memory Format=FLASH, Memory Size=128kB, MF="Texas Instruments", MP=BQ25703ARSNR, Number of A/D Converters=1, Number of ADC Channels=17, Number Of Channels=14, Number of D/A Converters=2, Number of I2C Channels=2, Number of I/Os=5, Number of Interrupts=44, Number of SPI Channels=2, Number of Terminals=48, Number of Timers/Counters=12, Number of UART Channels=0, Number of USART Channels=4, Number of USB Channels=2, Peripherals="POR, PWM, WDT", Pricing="1=3.97, 10=3.29, 25=3.08, 50=2.97, 100=2.86, 250=2.76, 500=2.69 (USD)", RAM Size=36kB, REACH SVHC=Yes, RoHS=Compliant, Schedule B="8542310000, 8542310000|8542310000, 8542310000|8542310000|8542310000|8542310000|8542310000", SnapEDA_Link=https://www.snapeda.com/parts/BQ25703ARSNR/Texas+Instruments/view-part/?ref=snap, Stock=1757, Supplier=Avnet, Terminal Pitch=500µm, Width=7mm
U2: "50-mA, 60-V, low-IQ, low-dropout voltage regulator with reverse voltage protection 4-SOT-223 -40 to 125", Package="SOT-223-4 Texas Instruments", Check_prices=https://www.snapeda.com/parts/LM2936MP-5.0/Texas+Instruments/view-part/?ref=eda, MF="Texas Instruments", MP=LM2936MP-5.0, SnapEDA_Link=https://www.snapeda.com/parts/LM2936MP-5.0/Texas+Instruments/view-part/?ref=snap
U3: "MCU 32-bit ARM Cortex M0+ RISC 128KB Flash 1.8V/2.5V/3.3V 48-Pin LQFP Tray", Ambient Temperature Range High=85°C, Case/Package=LFQFP, Clock Frequency=48MHz, Frequency=64MHz, Manufacturer=STMicroelectronics, Max Junction Temperature (Tj)=105°C, Max Supply Current=7mA, Max Supply Voltage=3.6V, Min Operating Temperature=-40°C, Min Supply Voltage=1.7V, Operating Supply Voltage=1.8V, Supplier Part Number=84AC2899, ADC Channels (Resolution)="14-Ch 12-Bit", Category=Microcontrollers, China RoHS=Compliant, ComponentLink1Description=https://datasheet.octopart.com:443/STM32G071CBT6-STMicroelectronics-datasheet-159144893.pdf?src-supplier=IHS, ComponentLink1URL=https://datasheet.octopart.com:443/STM32G071CBT6-STMicroelectronics-datasheet-159144893.pdf?src-supplier=IHS, ComponentLink2Description=https://datasheet.octopart.com:443/STM32G071CBT6-STMicroelectronics-datasheet-132344621.pdf?src-supplier=ODG+(Origin+Data+Global), ComponentLink2URL=https://datasheet.octopart.com:443/STM32G071CBT6-STMicroelectronics-datasheet-132344621.pdf?src-supplier=ODG+(Origin+Data+Global), ComponentLink3Description=https://datasheet.octopart.com:443/STM32G071CBT6-STMicroelectronics-datasheet-130125765.pdf?src-supplier=element14+APAC, ComponentLink3URL=https://datasheet.octopart.com:443/STM32G071CBT6-STMicroelectronics-datasheet-130125765.pdf?src-supplier=element14+APAC, Core Architecture="ARM Cortex-M0+", Country of Origin="Mainland China", DAC Channels (Resolution)="2-Ch 12-Bit", Data Bus Width=32b, EEPROM Memory Size=0B, Export Control Classification Number (ECCN) Code=3A991.A.2, Flash Memory Size=128kB, Harmonized Tariff Schedule (HTS) Code=8542.31.00.25, Height=1.6mm, Height - Seated (Max)=1.6mm, Interface=I2S, Introduction Date=2019-03-07, Length=7mm, Lifecycle Status=Production, Manufacturer Part Number=STM32G071CBT6, Max Operating Temperature=85°C, Memory Format=FLASH, Memory Size=128kB, Number of A/D Converters=1, Number of ADC Channels=17, Number Of Channels=14, Number of D/A Converters=2, Number of I2C Channels=2, Number of I/Os=5, Number of Interrupts=44, Number of SPI Channels=2, Number of Terminals=48, Number of Timers/Counters=12, Number of UART Channels=0, Number of USART Channels=4, Number of USB Channels=2, Peripherals="POR, PWM, WDT", Pricing="1=3.97, 10=3.29, 25=3.08, 50=2.97, 100=2.86, 250=2.76, 500=2.69 (USD)", RAM Size=36kB, REACH SVHC=Yes, RoHS=Compliant, Schedule B="8542310000, 8542310000|8542310000, 8542310000|8542310000|8542310000|8542310000|8542310000", Stock=1757, Supplier=Avnet, Terminal Pitch=500µm, Width=7mm

## Via types
v1: diameter 0.25, hole 0.15, Top Layer to Bottom Layer, 210 vias
v2: diameter 0.45, hole 0.25, Top Layer to Bottom Layer, 4 vias
v3: diameter 0.4, hole 0.25, Top Layer to Bottom Layer, 1 vias

## Nets (pads, with @x,y where several pads share a name; then routed paths per layer and width w, separated by ;. In a path a pad name is that pad's centre, name@x,y a point inside that pad or via, vN(x,y) a via of type N, cw(c..) or ccw(c..) an arc to the next point about the centre after c; other vN are vias at no path point)
3.3V: C15.2 C16.2 C17.2 C44.2 C45.2 C46.2 D8.1 D9.1 D10.1 Q10.3 R32.2 R33.2 R34.2 R35.2 R46.2 R52.2 R53.2 R54.2 R58.2 Tp27.1 U2.3 U3.4 U3.5 U3.6 | length 191.9
  Top Layer w0.381: Tp27.1@85.598,38.502 85.598,38.064 86.447,37.215 86.447,37.124 v1(86.741,36.83) 88.293,36.83 89.43,37.967 R46.2@89.43,41.823 ; C45.2@88.519,62.803 90.332,62.803 92.168,64.639 U3.6@94.001,64.639 96.262,64.639 v1(96.266,64.643) ; C44.2@88.646,65.975 91.378,65.975 91.714,65.639 U3.4@94.001,65.639 96.246,65.639 v1(96.266,65.659) ; C46.2@88.838,64.389 91.059,64.389 91.809,65.139 U3.5@94.001,65.139 96.254,65.139 v1(96.266,65.151) ; R46.2@89.281,41.972 89.459,41.972 89.648,41.783 89.648,41.289 v1(90.043,40.894) ; v1(89.289,75.438) 89.688,75.438 90.831,74.295 R54.2@90.932,74.295 92.415,74.295 R52.2@92.542,74.168 ; R46.2@89.47,41.783 90.16,41.783 92.866,39.077 R58.2@93.091,39.077 R58.2@93.316,39.077 ; v1(93.98,40.513) 93.551,40.084 93.551,39.312 R58.2@93.316,39.077 ; R35.2@102.149,95.543 102.309,95.383 104.642,95.383 v1(105.156,94.869) 105.156,94.234 v1(104.267,93.345) ; R32.2@102.276,92.622 103.671,92.622 103.759,92.71 v1(104.013,92.71) 104.013,93.091 v1(104.267,93.345) ; v1(103.632,93.345) v1(104.267,93.345) ; v1(103.759,45.212) 100.405,45.212 94.27,39.077 R58.2@93.316,39.077 ; v1(103.759,56.896) 103.759,55.626 v1(104.902,54.483) ; R34.2@103.927,94.4 104.032,94.4 104.267,94.165 v1(104.267,93.345) ; v1(108.831,91.44) 109.22,91.44 110.631,90.029 U2.3@110.631,89.429 110.631,86.733 C15.2@110.258,86.36 111.506,86.36 111.887,85.979 v1(111.887,85.471) ; D10.1@125.349,95.504 126.391,94.462 126.391,90.45 D9.1@125.349,89.408 125.349,87.148 126.518,85.979 126.518,83.719 D8.1@125.476,82.677
  Layer 2 w0.381: v1(89.289,75.438) 89.289,72.636 v1(96.266,65.659) v1(96.266,65.151) ; v1(96.266,64.643) v1(96.266,65.151) ; D8.1@125.476,82.677 122.682,85.471 v1(111.887,85.471) 111.887,78.232 98.806,65.151 v1(96.266,65.151)
  Bottom Layer w0.381: v1(96.266,65.659) 96.901,65.659 103.759,58.801 v1(103.759,56.896) ; R33.2@101.346,95.123 101.346,94.898 102.37,93.874 102.37,93.594 102.618,93.345 v1(103.632,93.345) ; v1(103.759,45.212) 110.236,45.212 Q10.3@110.363,45.339 108.254,47.448 108.254,50.042 106.426,51.87 R53.2@106.426,54.545 104.964,54.545 v1(104.902,54.483) ; v1(104.013,92.71) 106.967,92.71 ; 106.923,92.71 107.228,93.015 107.253,93.015 107.812,93.574 C17.2@107.812,93.599 108.372,93.039 C16.2@108.372,92.034 ; C16.2@107.972,91.567 108.099,91.44 v1(108.831,91.44)
12C1_SCL: R52.1 Tp37.1 U1.13 U3.45 | length 33.6
  Top Layer w0.2: U1.13@95.386,94.888 96.347,94.888 96.454,94.781 v1(96.467,94.781)
  Top Layer w0.381: v1(94.106,80.01) 93.563,79.466 92.731,79.466 91.878,78.613 Tp37.1@91.44,78.613 93.894,76.159 R52.1@93.894,74.168 94.093,73.969 94.093,73.166 96.921,70.338 U3.45@96.921,68.559
  Layer 1 w0.2: v1(94.106,80.01) 94.631,80.535 94.631,81.417 97.501,84.286 97.501,88.046 97.628,88.173 97.628,89.201 97.501,89.328 97.501,94.008 96.782,94.727 96.569,94.727 96.535,94.727 96.481,94.781 v1(96.467,94.781)
12C1_SDA: R54.1 Tp36.1 U1.12 U3.46 | length 37.9
  Top Layer w0.2: U1.12@95.386,94.488 96.006,94.488 96.183,94.311 96.556,94.311 v1(96.565,94.302)
  Top Layer w0.381: v1(93.98,80.518) 90.551,80.518 Tp36.1@88.773,78.74 88.773,74.834 90.157,73.45 90.323,73.45 90.831,72.942 R54.1@90.932,72.942 91.23,72.644 93.853,72.644 96.421,70.076 U3.46@96.421,68.559
  Layer 1 w0.2: v1(93.98,80.518) 94.33,80.868 94.33,81.542 94.631,81.843 94.631,84.31 97.199,86.878 97.199,88.17 97.326,88.297 97.326,89.076 97.199,89.203 97.199,92.827 96.349,93.677 96.349,94.072 96.565,94.288 v1(96.565,94.302)
\B\A\T\D\R\V\: Q7.G U1.21 | length 12
  Top Layer w0.2: U1.21@93.086,96.788 93.086,97.188 93.047,97.227 93.047,97.585 93.299,97.837 93.943,97.837 94.195,98.088 94.195,98.894 v1(94.615,99.314)
  Bottom Layer w0.2: v1(94.615,99.314) 94.615,99.319 94.913,99.617 94.913,101.653 94.825,101.741 94.825,103.766 96.901,105.842 Q7.G@96.901,106.68
\C\E\L\L\_\1\S\_\D\I\S\_\E\N\: Q4.1 R14.1 T4.3 | length 18.7
  Top Layer w0.381: Q4.1@57.785,97.742 61.227,94.3 64.135,94.3 67.108,91.327 R14.1@67.31,91.327 67.324,91.313 v1(68.961,91.313)
  Bottom Layer w0.381: v1(68.961,91.313) 70.993,89.281 T4.3@73.025,89.281
\C\E\L\L\_\2\S\_\D\I\S\_\E\N\: Q3.1 R11.1 T3.3 | length 20.1
  Top Layer w0.381: Q3.1@57.785,81.486 61.808,77.463 62.895,77.463 63.918,76.44 67.347,76.44 70.127,73.66 T3.3@70.612,73.66 68.516,73.66 67.576,74.6 67.576,74.682 67.314,74.944 R11.1@67.112,74.944
\C\E\L\L\_\3\S\_\D\I\S\_\E\N\: Q2.1 R8.1 T2.3 | length 15.6
  Top Layer w0.381: T2.3@60.112,60.325 68.738,60.325 Q2.1@69.881,59.182 71.645,57.418 R8.1@74.549,57.418
\C\E\L\L\_\4\S\_\D\I\S\_\E\N\: Q1.1 R1.1 T1.3 | length 21.6
  Top Layer w0.381: T1.3@55.032,36.322 55.12,36.233 58.008,36.233 59.059,35.182 59.059,35.124 59.677,34.506 60.548,34.506 61.475,35.433 Q1.1@71.501,35.433 72.785,35.433 73.279,35.927 73.279,36.206 74.007,36.934 74.286,36.934 R1.1@74.549,37.197
\P\R\O\C\H\O\T\: R32.1 U1.11 U3.20 | length 45.5
  Top Layer w0.2: U1.11@95.386,94.088 95.979,94.088 96.214,93.853 v1(96.774,93.853)
  Top Layer w0.3: v1(97.663,67.183) 98.921,65.925 U3.20@98.921,60.219 ; v1(101.854,93.472) 101.854,94.047 102.129,94.322 R32.1@102.276,94.322
  Layer 2 w0.3: v1(97.663,67.183) 98.679,68.199 98.679,78.905 97.121,80.463 97.121,81.437 98.679,82.995 98.679,83.831 97.568,84.942 97.568,85.368 97.846,85.646 98.023,85.646 98.331,85.955 98.331,88.548 98.609,88.826 98.609,91.42 97.122,92.907 97.122,93.505 v1(96.774,93.853) 101.473,93.853 v1(101.854,93.472)
ACP: C9.1 R19.1 U1.3 | length 10.8
  Top Layer w0.2: R19.1@92.034,86.741 91.936,86.643 C9.1@91.936,84.709 92.063,84.836 v1(92.837,84.836) ; U1.3@92.686,92.588 92.686,91.929 92.71,91.905 v1(92.71,91.891)
  Layer 1 w0.2: v1(92.71,91.891) 92.71,88.427 92.837,88.3 v1(92.837,84.836)
BAT: C1.2 C8.1 J3.1 R18.1 R21.2 R40.2 Tp7.1 | length 27.2
  Top Layer w0.381: J3.1@69.888,112.947 72.709,115.768 73.604,115.768 Tp7.1@73.914,116.078 77.354,112.638 C1.2@77.354,107.95 77.354,106.71 77.739,106.325 77.989,106.325 78.273,106.041 R18.1@78.273,105.791 R18.1@78.273,105.541 ; R40.2@76.073,103.666 76.508,104.101 76.833,104.101 R18.1@78.273,105.541 ; R21.2@80.645,100.33 80.544,100.33 79.655,101.219 79.385,101.219 79.162,101.442 79.162,101.802 78.273,102.691 R18.1@78.273,105.541
BAT_ADC: C41.2 D7.1 R40.1 R43.2 U3.15 | length 107
  Top Layer w0.381: v1(73.279,104.902) 73.787,104.394 C41.2@73.787,103.314 ; v1(74.93,97.028) 74.93,97.776 76.16,99.006 R43.2@76.16,99.06 ; v1(74.93,102.362) 75.152,102.362 75.948,101.566 R40.1@76.073,101.566 ; D7.1@92.93,42.418 96.421,45.909 U3.15@96.421,60.219
  Layer 2 w0.381: v1(74.93,97.028) v1(74.93,102.362) 74.93,103.251 v1(73.279,104.902) 71.509,103.132 71.509,97.821 69.969,96.282 69.969,89.292 73.525,85.736 73.525,78.337 76.119,75.743 76.119,59.228 D7.1@92.93,42.418
Blue_LED: R57.1 U3.16 | length 76.4
  Top Layer w0.381: U3.16@96.921,60.219 96.921,55.479 100.838,51.562 105.503,51.562 105.808,51.867 106.032,51.867 106.617,52.451 111.633,52.451 117.123,57.941 118.41,57.941 119.732,59.263 119.732,60.55 v1(123.698,64.516) ; v1(117.475,95.25) 117.475,95.769 119.473,97.767 R57.1@119.473,97.917
  Bottom Layer w0.381: v1(117.475,95.25) 117.475,85.725 123.952,79.248 123.952,70.23 124.107,70.075 124.107,69.061 123.952,68.906 123.952,64.77 v1(123.698,64.516)
BTST1: C3.2 U1.30 | length 6.9
  Top Layer w0.2: v1(89.662,93.345) 90.405,94.088 U1.30@91.186,94.088
  Bottom Layer w0.2: C3.2@86.475,93.345 86.475,93.145 87.459,92.161 87.704,92.161 88.216,91.65 88.568,91.65 88.983,92.065 88.983,92.636 89.275,92.927 89.275,92.958 v1(89.662,93.345)
BTST2: S.2 U1.25 | length 6.4
  Top Layer w0.25: v1(88.138,97.155) 89.769,97.155 U1.25@90.811,96.113
  Bottom Layer w0.25: S.2@85.598,98.794 85.798,98.794 86.581,98.011 86.581,97.953 86.89,97.644 86.948,97.644 87.437,97.155 v1(88.138,97.155)
CC1_IN: D1.1 J1.A5 R2.2 R5.2 Tp1.1 | length 23
  Top Layer w0.3: D1.1@114.3,89.027 114.554,88.773 Tp1.1@117.348,88.773
  Top Layer w0.381: Tp1.1@117.348,88.773 116.082,87.507 116.082,75.457 117.074,74.465 R2.2@117.094,74.465 117.298,74.261 118.895,74.261 119.355,73.801 119.466,73.801 119.637,73.63 119.637,73.171 119.86,72.948 J1.A5@120.772,72.948